# Altium PCB Fast_Servo.PCBDOC (part 1 of 7)
Units mm, origin at the board's own origin, x right, y up, seen from the top; angles counter-clockwise.
Board outline 162.48 x 100 mm, 4 copper layers (Top, GP1(GND), L3, Bot), stack 1.648 mm thick; 621 components, 389 nets, 1909 pads, 971 vias.
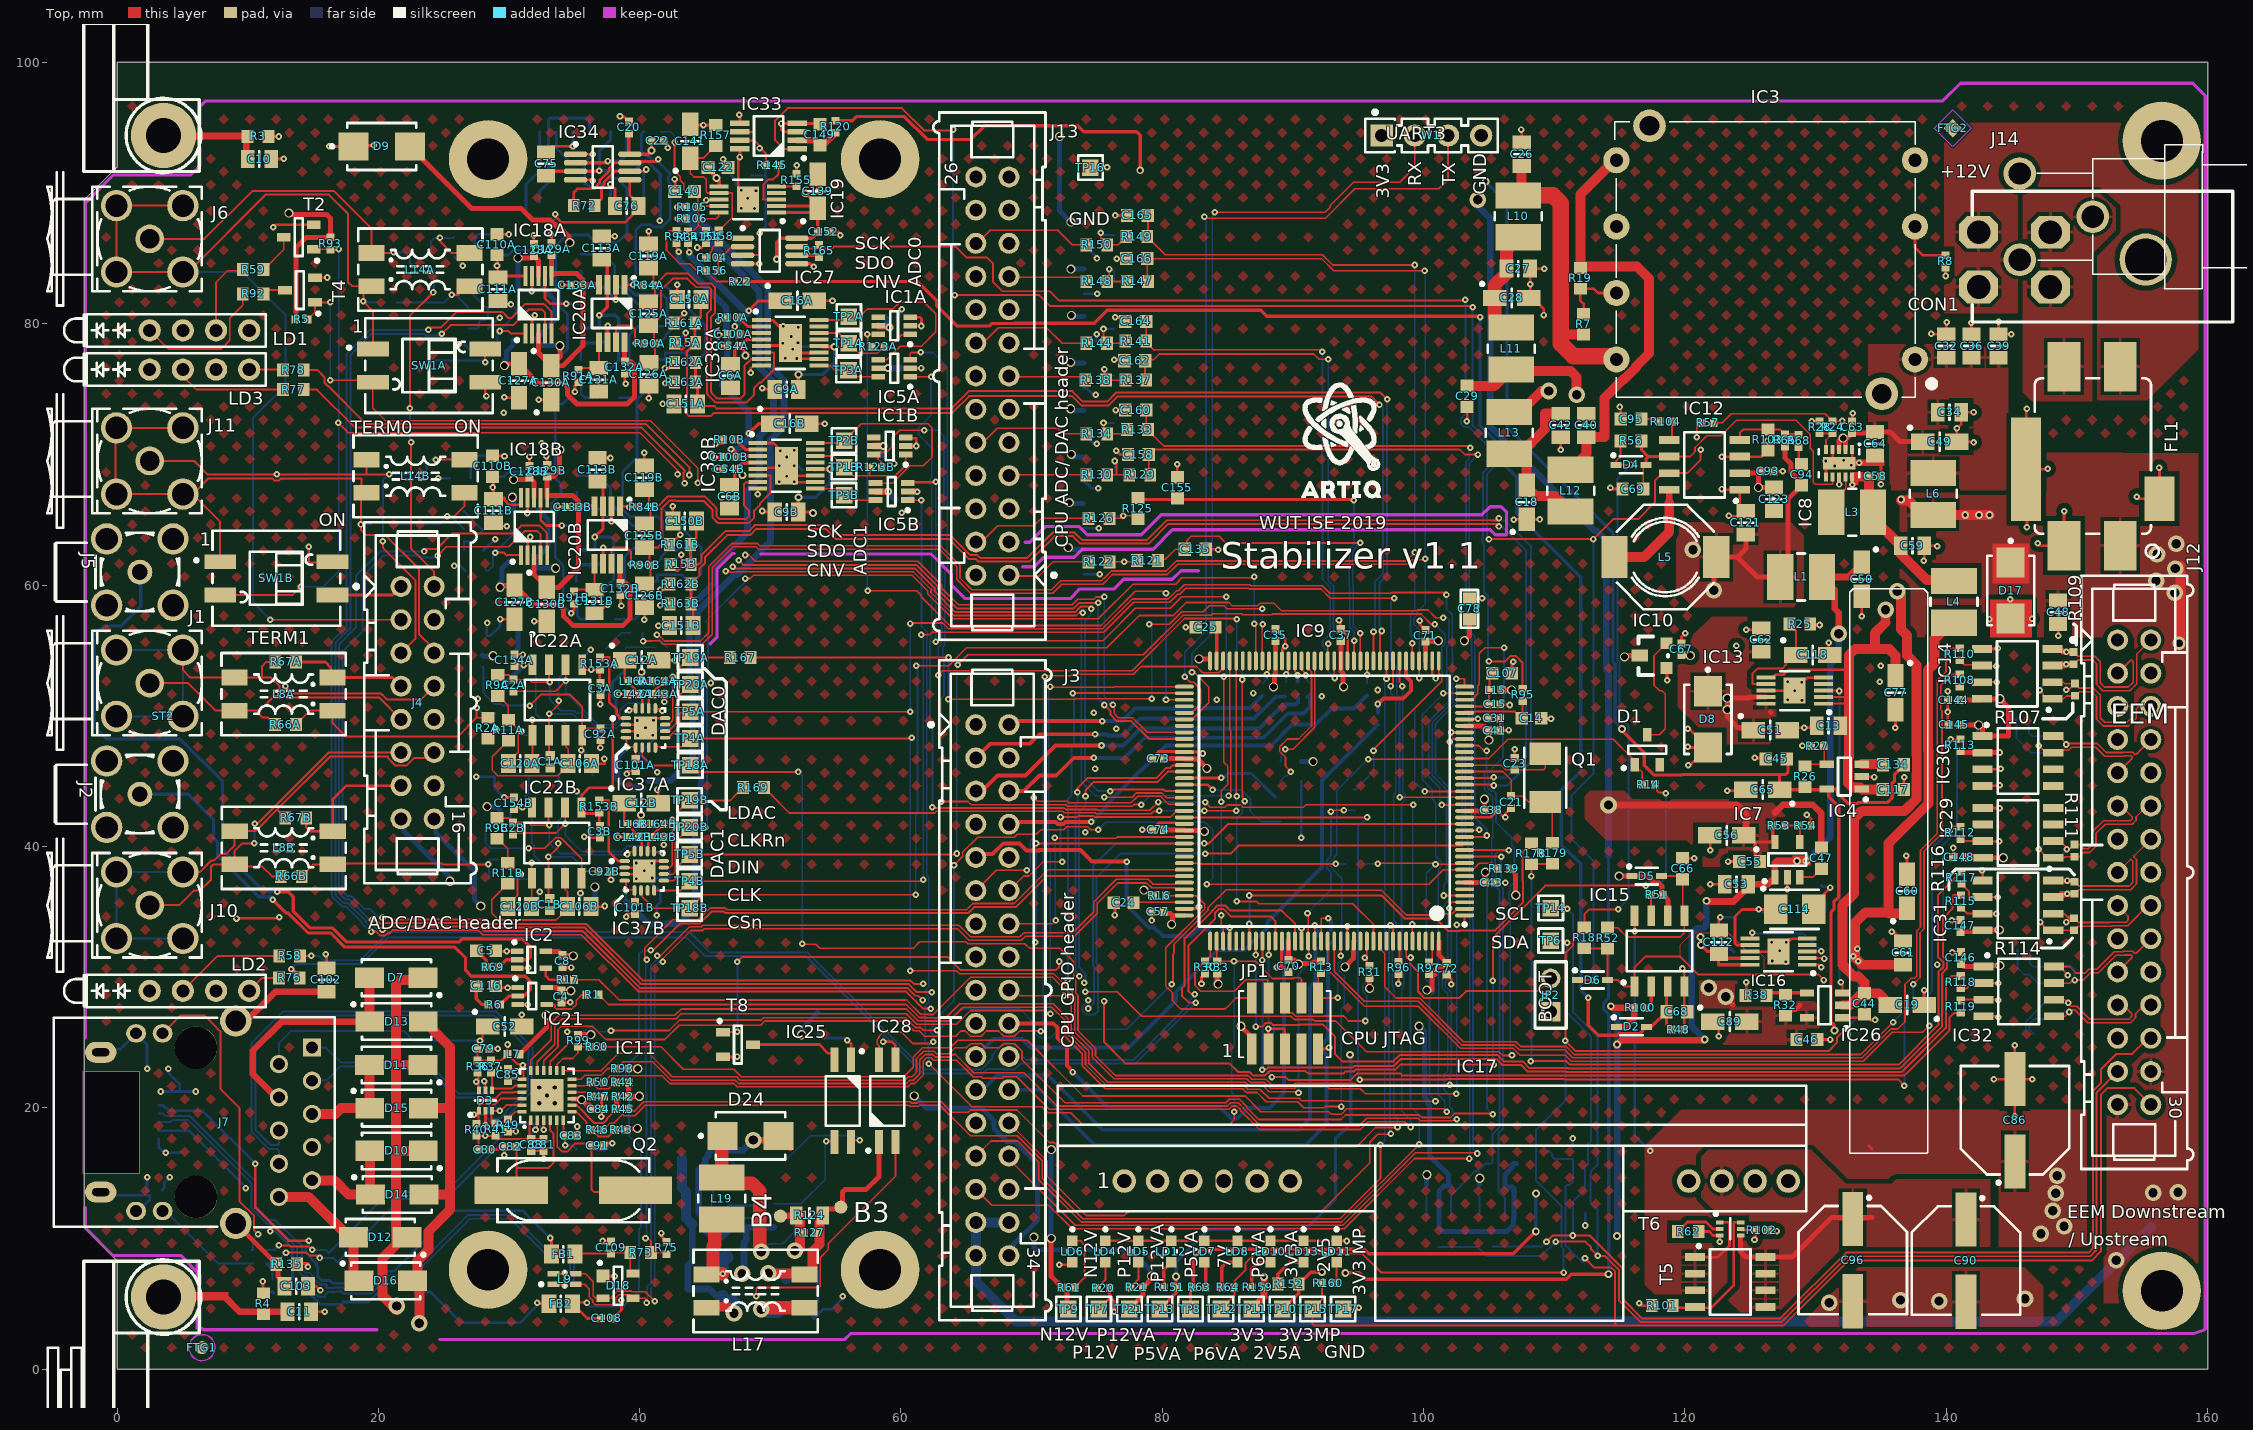
[diagram p0: Top view]
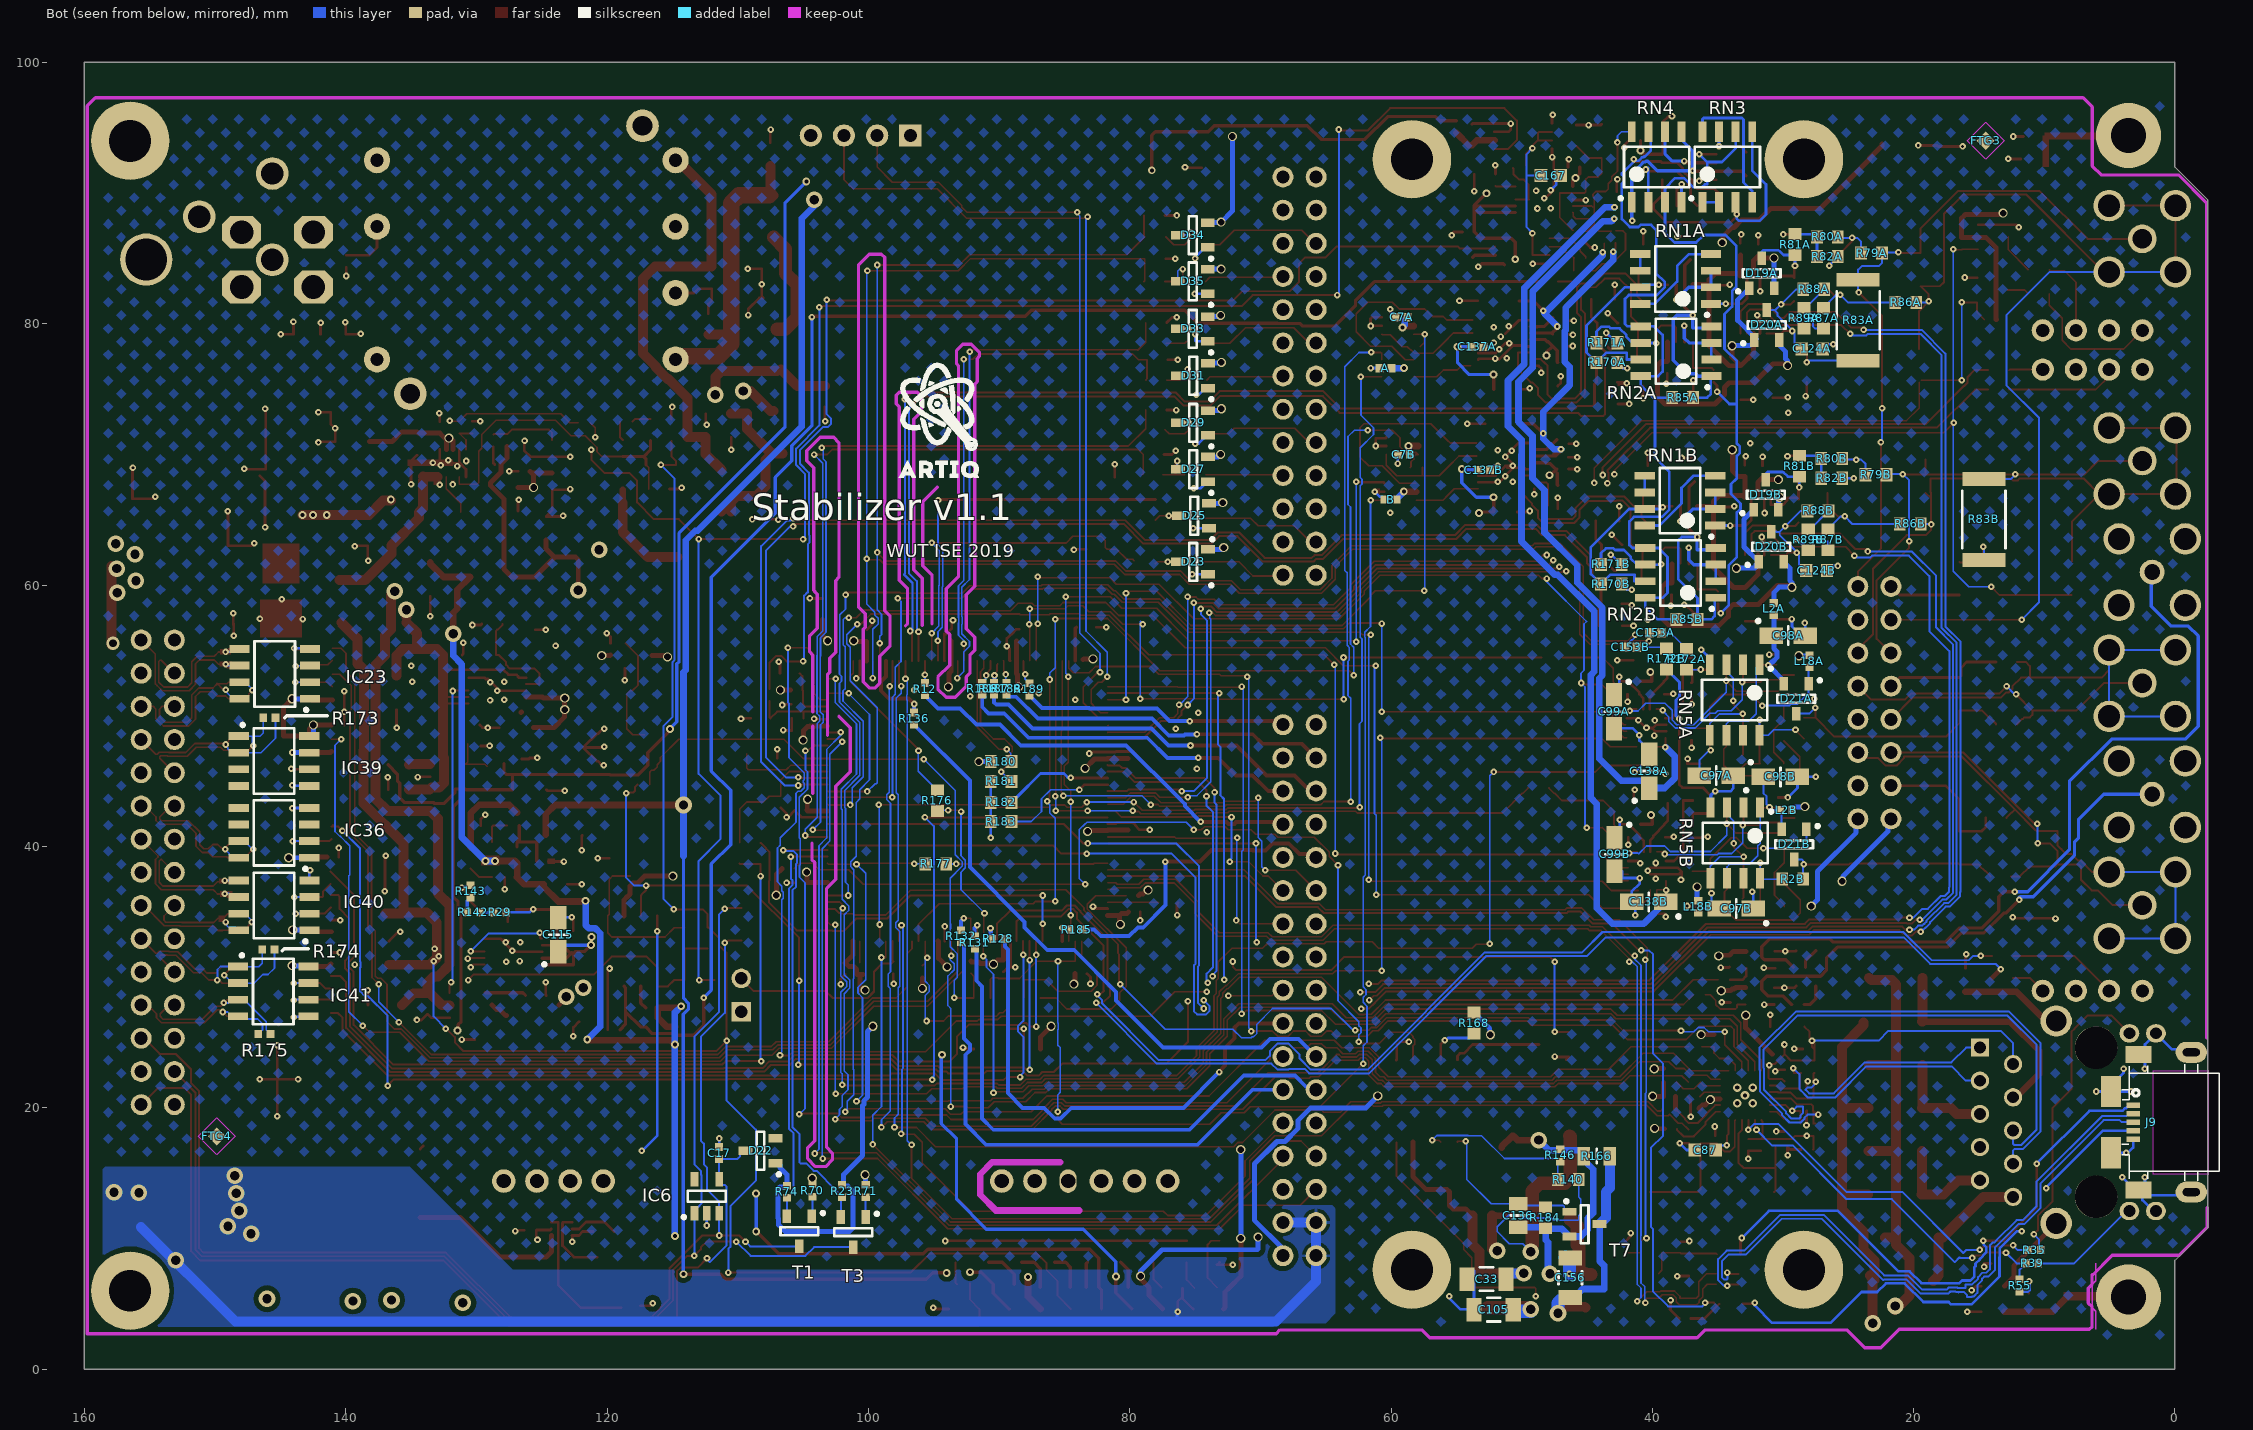
[diagram p1: Bot view, seen from below]
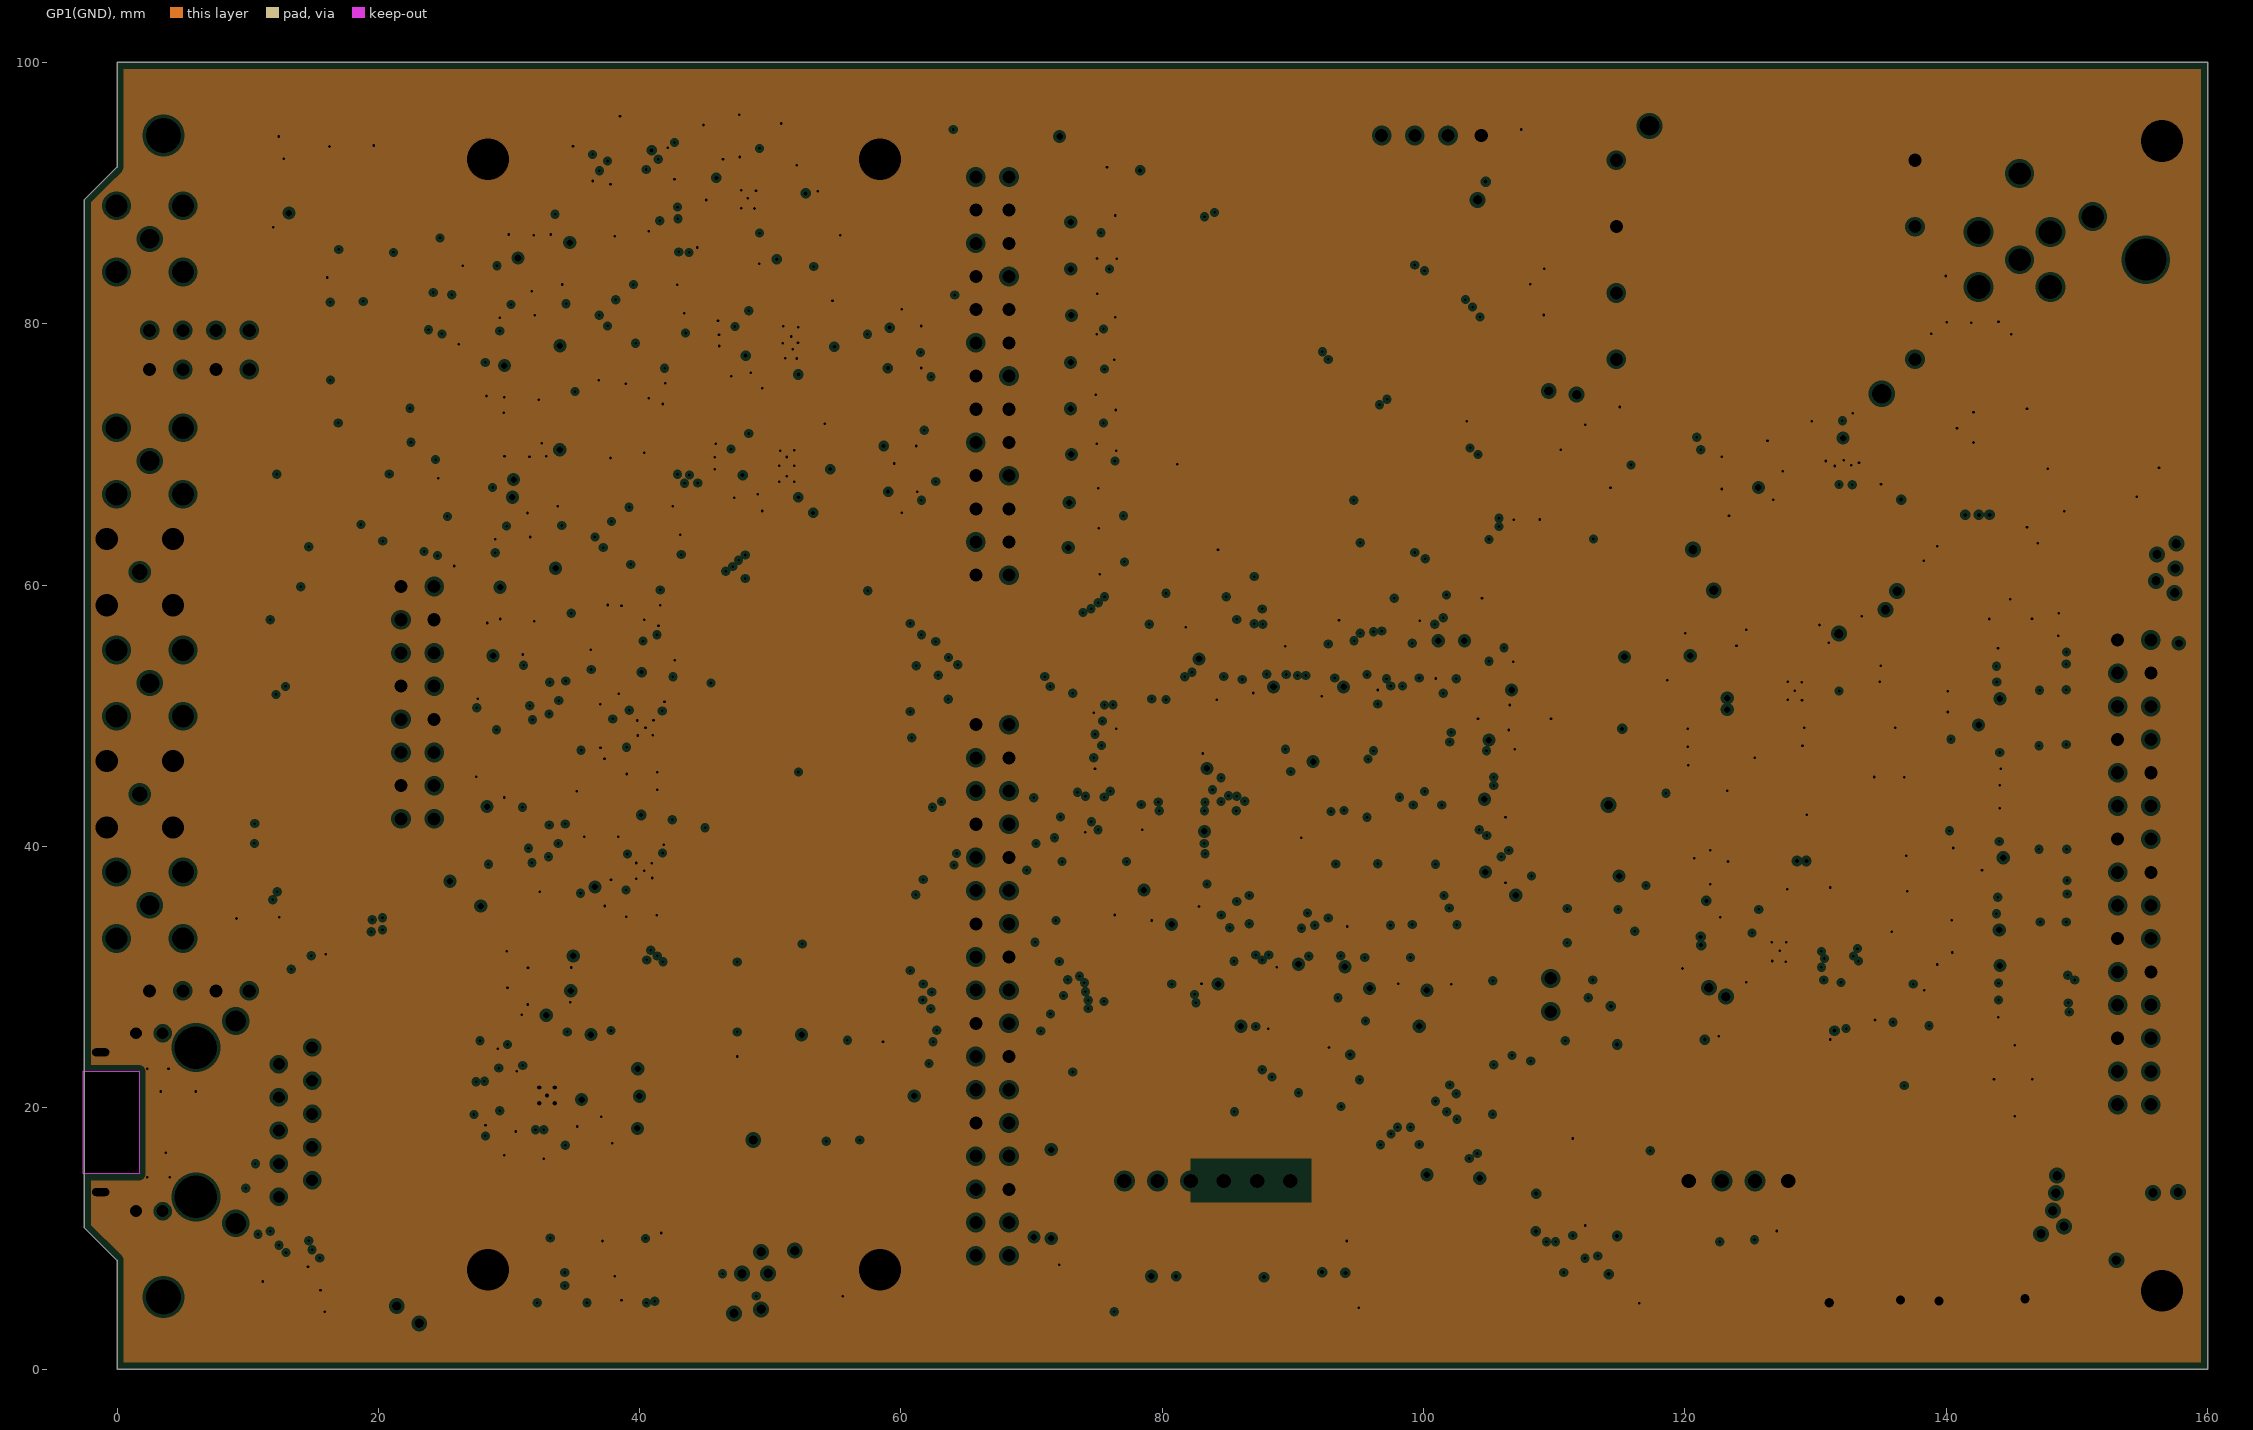
[diagram p2: GP1(GND), clearances drawn from the general rule]
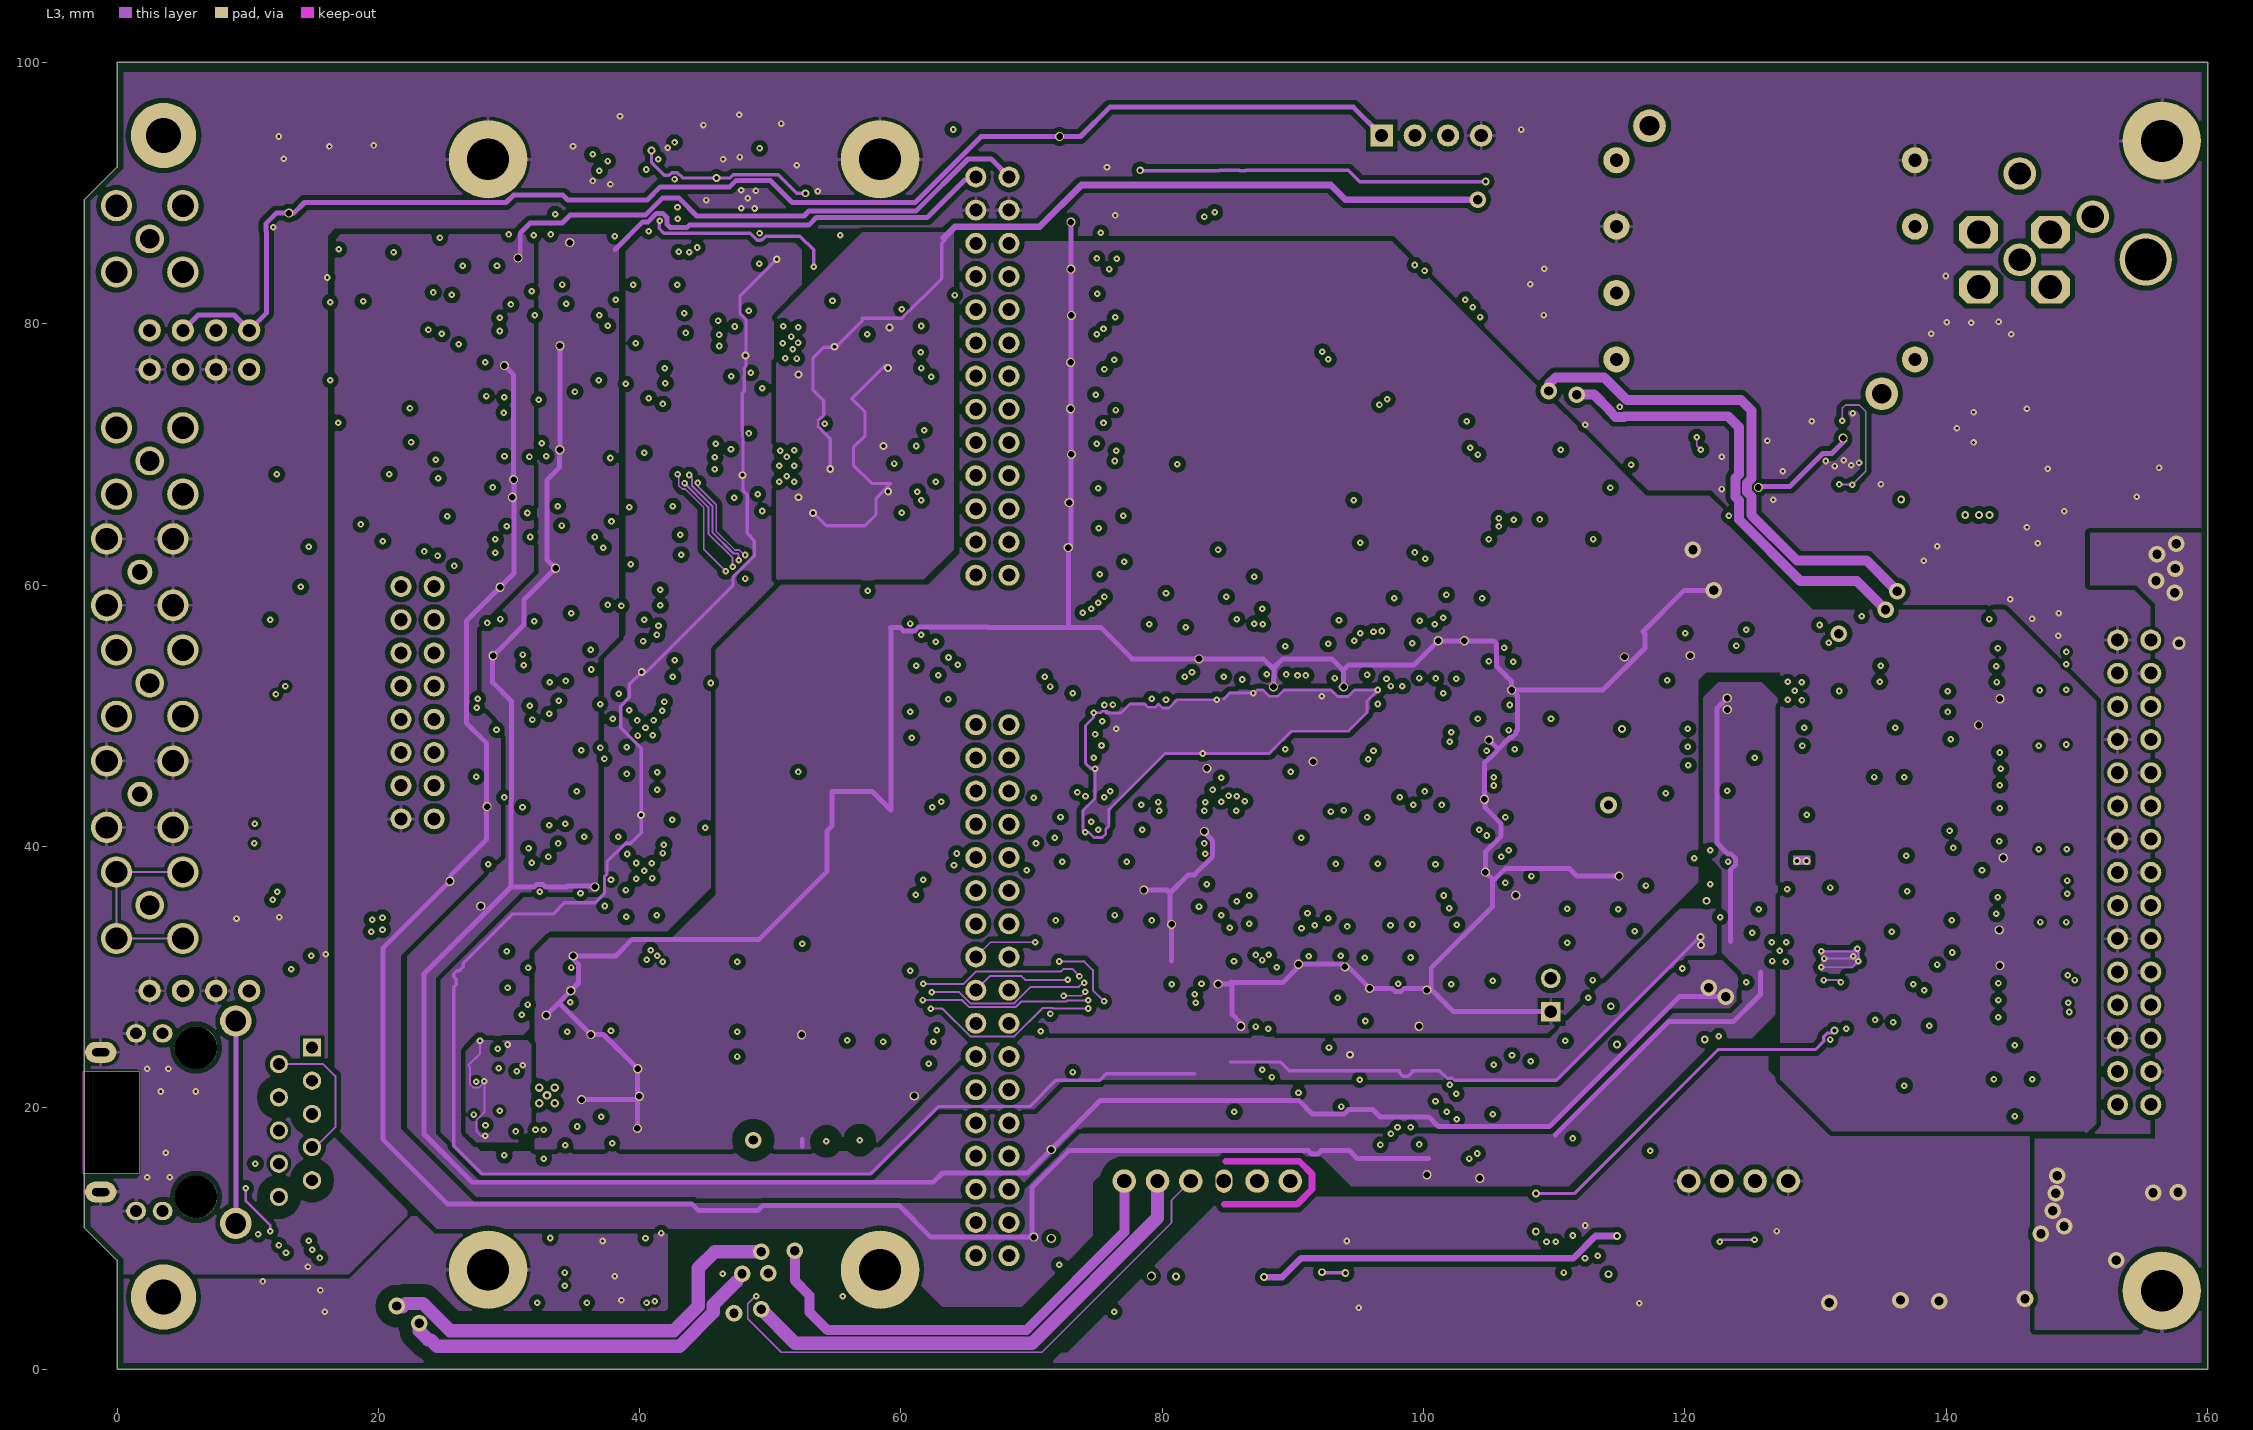
[diagram p3: L3]

## Layer stack, top to bottom
TopSolder: solder mask 0.0102, Solder Resist, Dk 3.5
Top: signal copper 0.058
Dielectric1: core 0.18, FR-4, Dk 4.2
GP1(GND): plane copper 0.036, net GND
Dielectric 3: prepreg 1.1, FR-4, Dk 4.2
L3: signal copper 0.036
Dielectric2: core 0.18, FR-4, Dk 4.2
Bot: signal copper 0.058
BottomSolder: solder mask 0.0102, Solder Resist, Dk 3.5

## Board outline
-2.489,10.809 -2.489,89.511 -1,91 0,92 0,100 159.995,100 159.995,0 0,0 0,8.32
cut-out: -2.6,22.784 -2.384,22.784 1.689,22.784 1.689,14.961 -2.6,14.961

## Design rules (kind name [scope] priority, off if disabled: settings)
AcuteAngle [All] p1: minimum=6.00000000000000E+0001 checktracksonly=FALSE
Clearance Clearance_HV [InNetClass('HV') vs not InNetClass('HV')] p1: gap=1 ignorepadtopadclearanceinfootprint=FALSE
Clearance Clearance_balancing [InNamedPolygon('balancing')            or InNamedPolygon('balancing_top')] p2: gap=0.3 ignorepadtopadclearanceinfootprint=FALSE
Clearance Clearance_DIFF [(InDifferentialPairClass('All Differential Pairs'))] p3: gap=0.127 ignorepadtopadclearanceinfootprint=FALSE except(0: Arc-Hole Track-Hole SMDPad-Hole THPad-Hole Via-Hole Fill-Hole Poly-Hole Region-Hole Text-Hole; 0.254: Arc-Poly Track-Poly SMDPad-Poly THPad-Poly Via-Poly Fill-Poly Poly-Poly Poly-Region Poly-Text)
Clearance [All] p4: gap=0.127 ignorepadtopadclearanceinfootprint=FALSE except(0: Arc-Hole Track-Hole SMDPad-Hole THPad-Hole Via-Hole Fill-Hole Poly-Hole Region-Hole Text-Hole; 0.381: Arc-Poly Track-Poly SMDPad-Poly THPad-Poly Via-Poly Fill-Poly Poly-Poly)
ComponentClearance [All] p1 off: gap=0.254 collisioncheckmode=3 verticalgap=0.254 showdistances=FALSE
DiffPairsRouting [All] p1: maxlimit=0.178 minlimit=0.152 mostfreqgap=0.152 toplayer_minwidth=0.127 toplayer_maxwidth=0.152 toplayer_prefwidth=0.152 midlayer1_minwidth=0.127 midlayer1_maxwidth=0.152 midlayer1_prefwidth=0.152 bottomlayer_minwidth=0.127 bottomlayer_maxwidth=0.152 bottomlayer_prefwidth=0.152 maxuncoupledlength=12.7
FabricationTestPointUsage TestPointUsage [All] p1: valid=0 allowmultiple=FALSE
FabricationTestpoint Testpoint [All] p1: side=3 testpointundercomponent=TRUE minsize=1.016 maxsize=2.54 preferedsize=1.524 minholesize=0.508 maxholesize=1.016 preferedholesize=0.813 testpointgrid=0.025 allowsidetop=TRUE allowsidebottom=TRUE usegrid=TRUE gridtolerance=0
Height [All] p1 off: minheight=0 maxheight=25.4 prefheight=12.7
HoleSize [All] p1: absolutevalues=TRUE maxlimit=3.81 minlimit=0.025 maxpercent=80.000 minpercent=20.000
HoleToHoleClearance [All] p1: gap=0.025 allowstackedmicrovias=TRUE
MinimumSolderMaskSliver [All] p1: minsoldermaskwidth=0
PlaneClearance PlaneClearance_HV [InNetClass('HV')] p1: clearance=1
PlaneClearance [All] p2: clearance=0.254
PlaneConnect [All] p1: planeconnectstyle=Direct reliefexpansion=0.508 reliefentries=4 reliefconductorwidth=0.254 reliefairgap=0.254
PolygonConnect PolygonConnect_pad [(InPadClass('All Pads'))] p1: connectstyle=Relief reliefconductorwidth=0.254 reliefentries=4 polygonreliefangle="90 Angle" airgapwidth=0.254
PolygonConnect [All] p2: connectstyle=Direct reliefconductorwidth=0.254 reliefentries=4 polygonreliefangle="45 Angle" airgapwidth=0.254
RoomDefinition Supply_Stabiliser [InComponentClass('Supply_Stabiliser')] p1 off: confinementstyle=ConfineIn formatcopy=TRUE lockcomponents=FALSE outline -101.6,-152.4 -50.8,-152.4 -50.8,-127 -101.6,-127
RoomDefinition ADC_1CH2 [InComponentClass('ADC_1CH2')] p2 off: confinementstyle=ConfineIn formatcopy=TRUE lockcomponents=FALSE outline 45.554,63.733 60.221,63.733 60.221,72.733 45.554,72.733
RoomDefinition ADC_1CH1 [InComponentClass('ADC_1CH1')] p3 off: confinementstyle=ConfineIn formatcopy=TRUE lockcomponents=FALSE outline 45.55,73.126 60.217,73.126 60.217,82.126 45.55,82.126
RoomDefinition USB [InComponentClass('USB')] p4 off: confinementstyle=ConfineIn formatcopy=TRUE lockcomponents=FALSE outline 29.696,2.5 44.855,2.5 44.855,10.94 29.696,10.94
RoomDefinition U_References [InComponentClass('U_References')] p5 off: confinementstyle=ConfineIn formatcopy=TRUE lockcomponents=FALSE outline 55.285,83.484 55.285,96.285 31.046,96.285 31.046,83.484
RoomDefinition U_AUX_Analog_IO [InComponentClass('U_AUX_Analog_IO')] p6 off: confinementstyle=ConfineIn formatcopy=TRUE lockcomponents=FALSE outline 78.097,49.14 59.62,49.14 59.62,92.492 78.097,92.492
RoomDefinition Input_AFE1 [InComponentClass('Input_AFE1')] p7 off: confinementstyle=ConfineIn formatcopy=TRUE lockcomponents=FALSE outline 17.474,55.778 45.729,55.778 45.729,70.983 17.474,70.983
RoomDefinition Input_AFE0 [InComponentClass('Input_AFE0')] p8 off: confinementstyle=ConfineIn formatcopy=TRUE lockcomponents=FALSE outline 17.809,72.743 46.064,72.743 46.064,87.948 17.809,87.948
RoomDefinition EEM_connector [InComponentClass('EEM_connector')] p9 off: confinementstyle=ConfineIn formatcopy=TRUE lockcomponents=FALSE outline 145.554,8.308 157.75,8.308 157.75,58.925 145.554,58.925
RoomDefinition DAC_1CH1 [InComponentClass('DAC_1CH1')] p10 off: confinementstyle=ConfineIn formatcopy=TRUE lockcomponents=FALSE outline 17.457,34.212 45,34.212 45,44.512 17.457,44.512
RoomDefinition DAC_1CH0 [InComponentClass('DAC_1CH0')] p11 off: confinementstyle=ConfineIn formatcopy=TRUE lockcomponents=FALSE outline 17.502,45.15 45.045,45.15 45.045,55.45 17.502,55.45
RoomDefinition CPU [InComponentClass('CPU')] p12 off: confinementstyle=ConfineIn formatcopy=TRUE lockcomponents=FALSE outline 74.616,23.463 74.616,60.963 101.345,60.963 101.345,23.463
RoomDefinition Stabilizer [InComponentClass('Stabilizer')] p13 off: confinementstyle=ConfineIn formatcopy=TRUE lockcomponents=FALSE outline 20.23,1.433 2.75,1.433 2.75,94.805 20.23,94.805
RoomDefinition RMII_Ethernet [InComponentClass('RMII_Ethernet')] p14 off: confinementstyle=ConfineIn formatcopy=TRUE lockcomponents=FALSE outline 41.47,24.874 23.311,24.874 23.311,11.101 41.47,11.101
RoutingVias "Schematic Routing Via Style_8" [InNetClass('Hpower')] p1: holewidth=0.5 width=0.7 viastyle="Through Hole" minholewidth=0.5 minwidth=0.7 maxholewidth=0.711 maxwidth=1.27
RoutingVias "Schematic Routing Via Style_2" [InNetClass('Lpower')] p2: holewidth=0.3 width=0.6 viastyle="Through Hole" minholewidth=0.3 minwidth=0.6 maxholewidth=0.711 maxwidth=1.27
RoutingVias [All] p3: holewidth=0.2 width=0.5 viastyle="Through Hole" minholewidth=0.2 minwidth=0.5 maxholewidth=0.711 maxwidth=1.27
SilkToSilkClearance [All] p1: silktosilkclearance=0
SilkToSolderMaskClearance SilkscreenOverComponentPads [IsPad] p1: minsilkscreentomaskgap=0 clearancetoexposedcopper=TRUE
SolderMaskExpansion [All] p1: expansion=0.051 istentingtop=FALSE
Width Z50R [InNetClass('SPI')] p1: maxlimit=0.303 minlimit=0.221 preferedwidth=0.303 toplayer_minwidth=0.298 midlayer1_maxwidth=0.225 midlayer1_prefwidth=0.225 bottomlayer_minwidth=0.298 impedanceprofiledriven=TRUE impedanceprofileid={0EAE177B-5537-4F3A-BB17-587E98DE51B5} impedanceprofilevalue=50.000000 minimp=50.000000 maximp=50.000000 favimp=50.000000
Width "Schematic Width Constraint_7" [InNetClass('Hpower')] p2: maxlimit=1.27 minlimit=0.381 preferedwidth=0.508
Width "Schematic Width Constraint_2" [InNetClass('Lpower')] p3: maxlimit=0.508 minlimit=0.254 preferedwidth=0.381
Width [All] p4: maxlimit=1.27 minlimit=0.127 preferedwidth=0.127
18 further rules are at their usual default settings.
